# Altium PCB DM1098OAKW.PcbDoc (part 3 of 5)
Units mm, origin at the board's own origin, x right, y up, seen from the top; angles counter-clockwise.
Board outline 98.3 x 35 mm, 6 copper layers (Top Copper, Signal Layer 1, Signal Layer 2, Signal Layer 3, Signal Layer 4, Bottom Copper), stack 1.597 mm thick; 204 components, 159 nets, 836 pads, 621 vias.
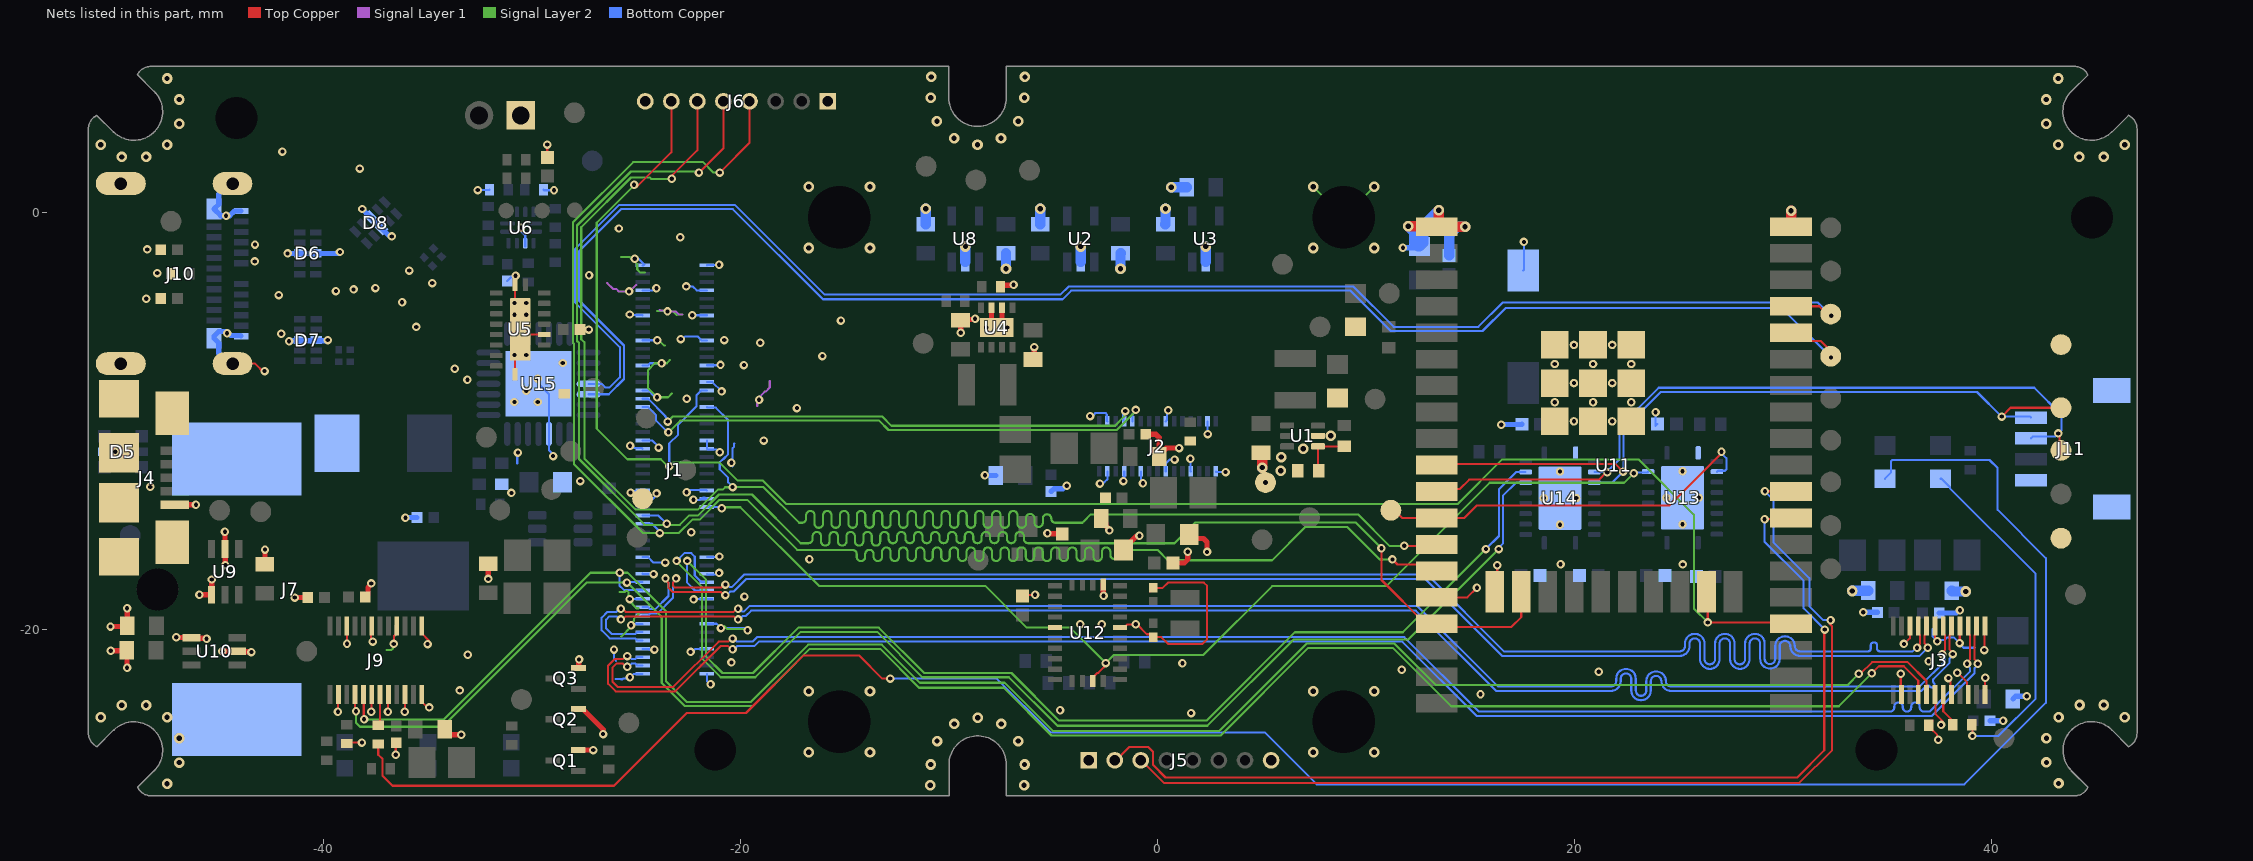
[diagram p7: the nets of this part, all layers, seen from the top]

## Via types
v1: diameter 0.406, hole 0.203, Top Copper to Bottom Copper, tented both sides, 471 vias
v2: diameter 0.508, hole 0.254, Top Copper to Bottom Copper, tented both sides, 132 vias
v3: diameter 0.508, hole 0.254, Top Copper to Bottom Copper, 16 vias
v4: diameter 0.406, hole 0.203, Top Copper to Bottom Copper, tented bottom, 2 vias

## Nets (pads, with @x,y where several pads share a name; then routed paths per layer and width w, separated by ;. In a path a pad name is that pad's centre, name@x,y a point inside that pad or via, vN(x,y) a via of type N, cw(c..) or ccw(c..) an arc to the next point about the centre after c; other vN are vias at no path point) (continued)
ESP_GPIO12: J1.63 J6.4 U11.14 | length 86
  Top Copper w0.102: v1@-20.91,1.99 -19.574,3.326 J6.4@-19.574,5.317 ; v1(11.275,-16.661) 11.515,-16.902 13.092,-16.902 U11.14@13.4,-17.21
  Signal Layer 2 w0.102: v1(-21,1.9) -21.3,1.9 -21.8,2.4 -25.159,2.4 -28.05,-0.491 -28.05,-6.26 -28.001,-6.309 -28.001,-12.078 -24.686,-15.393 v1(-23.878,-15.393) -22.961,-15.393 -22.315,-14.748 -21.955,-14.748 -21.011,-13.804 -19.68,-13.804 -17.284,-16.2 -15.089,-16.2 -14.633,-16.2 cw(c-14.633,-16.403) -14.43,-16.403 -14.43,-16.537 ccw(c-14.227,-16.537) -14.227,-16.74 ccw(c-14.227,-16.537) -14.024,-16.537 -14.024,-16.402 cw(c-13.821,-16.402) -13.821,-16.199 cw(c-13.821,-16.402) -13.619,-16.402 -13.619,-16.537 ccw(c-13.416,-16.537) -13.416,-16.74 ccw(c-13.416,-16.537) -13.213,-16.537 -13.213,-16.286 cw(c-13.01,-16.286) -13.01,-16.083 cw(c-13.01,-16.286) -12.807,-16.286 -12.807,-16.537 ccw(c-12.605,-16.537) -12.605,-16.74 ccw(c-12.605,-16.537) -12.402,-16.537 -12.402,-16.285 cw(c-12.199,-16.285) -12.199,-16.082 cw(c-12.199,-16.285) -11.996,-16.285 -11.996,-16.537 ccw(c-11.793,-16.537) -11.793,-16.74 ccw(c-11.793,-16.537) -11.591,-16.537 -11.591,-16.285 cw(c-11.388,-16.285) -11.388,-16.082 cw(c-11.388,-16.285) -11.185,-16.285 -11.185,-16.537 ccw(c-10.982,-16.537) -10.982,-16.74 ccw(c-10.982,-16.537) -10.779,-16.537 -10.779,-16.285 cw(c-10.577,-16.285) -10.577,-16.082 cw(c-10.577,-16.285) -10.374,-16.285 -10.374,-16.537 ccw(c-10.171,-16.537) -10.171,-16.74 ccw(c-10.171,-16.537) -9.968,-16.537 -9.968,-16.285 cw(c-9.765,-16.285) -9.765,-16.082 cw(c-9.765,-16.285) -9.563,-16.285 -9.563,-16.537 ccw(c-9.36,-16.537) -9.36,-16.74 ccw(c-9.36,-16.537) -9.157,-16.537 -9.157,-16.285 cw(c-8.954,-16.285) -8.954,-16.082 cw(c-8.954,-16.285) -8.751,-16.285 -8.751,-16.537 ccw(c-8.549,-16.537) -8.549,-16.74 ccw(c-8.549,-16.537) -8.346,-16.537 -8.346,-16.285 cw(c-8.143,-16.285) -8.143,-16.082 cw(c-8.143,-16.285) -7.94,-16.285 -7.94,-16.537 ccw(c-7.737,-16.537) -7.737,-16.74 ccw(c-7.737,-16.537) -7.535,-16.537 -7.535,-16.284 cw(c-7.332,-16.284) -7.332,-16.081 cw(c-7.332,-16.284) -7.129,-16.284 -7.129,-16.537 ccw(c-6.926,-16.537) -6.926,-16.74 ccw(c-6.926,-16.537) -6.723,-16.537 -6.723,-16.282 cw(c-6.521,-16.282) -6.521,-16.079 cw(c-6.521,-16.282) -6.318,-16.282 -6.318,-16.537 ccw(c-6.115,-16.537) -6.115,-16.74 ccw(c-6.115,-16.537) -5.912,-16.537 -5.912,-16.287 cw(c-5.709,-16.287) -5.709,-16.084 cw(c-5.709,-16.287) -5.507,-16.287 -5.507,-16.537 ccw(c-5.304,-16.537) -5.304,-16.74 ccw(c-5.304,-16.537) -5.101,-16.537 -5.101,-16.287 cw(c-4.898,-16.287) -4.898,-16.084 cw(c-4.898,-16.287) -4.695,-16.287 -4.695,-16.537 ccw(c-4.493,-16.537) -4.493,-16.74 ccw(c-4.493,-16.537) -4.29,-16.537 -4.29,-16.287 cw(c-4.087,-16.287) -4.087,-16.084 cw(c-4.087,-16.287) -3.884,-16.287 -3.884,-16.537 ccw(c-3.681,-16.537) -3.681,-16.74 ccw(c-3.681,-16.537) -3.479,-16.537 -3.479,-16.287 cw(c-3.276,-16.287) -3.276,-16.084 cw(c-3.276,-16.287) -3.073,-16.287 -3.073,-16.537 ccw(c-2.87,-16.537) -2.87,-16.74 ccw(c-2.87,-16.537) -2.667,-16.537 -2.667,-16.287 cw(c-2.465,-16.287) -2.465,-16.084 cw(c-2.465,-16.287) -2.262,-16.287 -2.262,-16.44 ccw(c-2.059,-16.44) -2.059,-16.643 ccw(c-2.059,-16.44) -1.856,-16.44 -1.856,-16.403 cw(c-1.653,-16.403) -1.653,-16.2 0,-16.2 0.5,-16.7 1.465,-16.7 5.5,-16.7 7.1,-15.1 9.097,-15.1 10.659,-16.661 v1(11.275,-16.661)
  Bottom Copper w0.102: J1.63@-24.7,-14.95 -24.25,-14.95 -23.878,-15.323 v1(-23.878,-15.393)
ESP_GPIO13: J1.61 J6.5 U11.16 | length 86.7
  Top Copper w0.102: v1(-22,1.9) -20.824,3.076 J6.5@-20.824,5.317 ; v1(10.746,-16.126) 10.746,-17.646 12.85,-19.75 U11.16@13.4,-19.75 13.554,-19.904 16.98,-19.904 17.455,-19.429 U11.16@17.455,-18.21
  Signal Layer 2 w0.102: v1(-22,1.9) -22.054,1.954 -25.256,1.954 -27.848,-0.638 -27.848,-6.176 -27.753,-6.271 -27.753,-11.844 -24.598,-14.999 -23.55,-14.999 -22.914,-14.999 -22.461,-14.546 -22.038,-14.546 -21.036,-13.544 -19.456,-13.544 -17.117,-15.883 -16.8,-15.883 -16.749,-15.883 ccw(c-16.749,-15.68) -16.546,-15.68 -16.546,-15.545 cw(c-16.344,-15.545) -16.344,-15.343 cw(c-16.344,-15.545) -16.141,-15.545 -16.141,-15.796 ccw(c-15.938,-15.796) -15.938,-15.998 ccw(c-15.938,-15.796) -15.735,-15.796 -15.735,-15.545 cw(c-15.532,-15.545) -15.532,-15.343 cw(c-15.532,-15.545) -15.33,-15.545 -15.33,-15.796 ccw(c-15.127,-15.796) -15.127,-15.998 ccw(c-15.127,-15.796) -14.924,-15.796 -14.924,-15.545 cw(c-14.721,-15.545) -14.721,-15.343 cw(c-14.721,-15.545) -14.518,-15.545 -14.518,-15.796 ccw(c-14.316,-15.796) -14.316,-15.998 ccw(c-14.316,-15.796) -14.113,-15.796 -14.113,-15.545 cw(c-13.91,-15.545) -13.91,-15.343 cw(c-13.91,-15.545) -13.707,-15.545 -13.707,-15.797 ccw(c-13.504,-15.797) -13.504,-16 ccw(c-13.504,-15.797) -13.302,-15.797 -13.302,-15.545 cw(c-13.099,-15.545) -13.099,-15.343 cw(c-13.099,-15.545) -12.896,-15.545 -12.896,-15.681 ccw(c-12.693,-15.681) -12.693,-15.884 ccw(c-12.693,-15.681) -12.49,-15.681 -12.49,-15.545 cw(c-12.288,-15.545) -12.288,-15.343 cw(c-12.288,-15.545) -12.085,-15.545 -12.085,-15.68 ccw(c-11.882,-15.68) -11.882,-15.883 ccw(c-11.882,-15.68) -11.679,-15.68 -11.679,-15.545 cw(c-11.476,-15.545) -11.476,-15.343 cw(c-11.476,-15.545) -11.274,-15.545 -11.274,-15.68 ccw(c-11.071,-15.68) -11.071,-15.883 ccw(c-11.071,-15.68) -10.868,-15.68 -10.868,-15.545 cw(c-10.665,-15.545) -10.665,-15.343 cw(c-10.665,-15.545) -10.462,-15.545 -10.462,-15.68 ccw(c-10.26,-15.68) -10.26,-15.883 ccw(c-10.26,-15.68) -10.057,-15.68 -10.057,-15.545 cw(c-9.854,-15.545) -9.854,-15.343 cw(c-9.854,-15.545) -9.651,-15.545 -9.651,-15.68 ccw(c-9.448,-15.68) -9.448,-15.883 ccw(c-9.448,-15.68) -9.246,-15.68 -9.246,-15.545 cw(c-9.043,-15.545) -9.043,-15.343 cw(c-9.043,-15.545) -8.84,-15.545 -8.84,-15.68 ccw(c-8.637,-15.68) -8.637,-15.883 ccw(c-8.637,-15.68) -8.434,-15.68 -8.434,-15.545 cw(c-8.232,-15.545) -8.232,-15.343 cw(c-8.232,-15.545) -8.029,-15.545 -8.029,-15.68 ccw(c-7.826,-15.68) -7.826,-15.883 ccw(c-7.826,-15.68) -7.623,-15.68 -7.623,-15.545 cw(c-7.42,-15.545) -7.42,-15.343 cw(c-7.42,-15.545) -7.218,-15.545 -7.218,-15.68 ccw(c-7.015,-15.68) -7.015,-15.883 ccw(c-7.015,-15.68) -6.812,-15.68 -6.812,-15.545 cw(c-6.609,-15.545) -6.609,-15.343 cw(c-6.609,-15.545) -6.406,-15.545 -6.406,-15.68 ccw(c-6.204,-15.68) -6.204,-15.883 -2.5,-15.883 0.817,-15.883 1.81,-14.89 9.51,-14.89 v1(10.746,-16.126)
  Bottom Copper w0.102: J1.61@-24.7,-14.55 -23.95,-14.55 v1(-23.55,-14.95)
ESP_GPIO14: J1.36 J6.6 U11.13 | length 87.4
  Top Copper w0.102: v1(-23.3,1.6) -23.3,1.748 -22.074,2.974 J6.6@-22.074,5.317 ; v1(11.84,-16.008) 13.332,-16.008 U11.13@13.4,-15.94
  Signal Layer 2 w0.102: v1(-23.3,1.6) -24.288,1.6 -24.354,1.666 -25.259,1.666 -27.647,-0.721 -27.647,-6.093 -27.498,-6.241 -27.498,-11.814 -25.052,-14.26 -22.037,-14.26 -21.075,-13.298 -20.839,-13.298 -20.74,-13.198 -20.392,-13.198 v1(-20.384,-13.19) ; v1@-20.379,-13.19 -18.901,-13.19 -17.191,-14.9 -17.111,-14.9 -17.06,-14.9 ccw(c-17.06,-14.697) -16.857,-14.697 -16.857,-14.535 cw(c-16.654,-14.535) -16.654,-14.332 cw(c-16.654,-14.535) -16.452,-14.535 -16.452,-14.938 ccw(c-16.249,-14.938) -16.249,-15.141 ccw(c-16.249,-14.938) -16.046,-14.938 -16.046,-14.535 cw(c-15.843,-14.535) -15.843,-14.332 cw(c-15.843,-14.535) -15.64,-14.535 -15.64,-14.938 ccw(c-15.438,-14.938) -15.438,-15.141 ccw(c-15.438,-14.938) -15.235,-14.938 -15.235,-14.535 cw(c-15.032,-14.535) -15.032,-14.332 cw(c-15.032,-14.535) -14.829,-14.535 -14.829,-14.938 ccw(c-14.626,-14.938) -14.626,-15.141 ccw(c-14.626,-14.938) -14.424,-14.938 -14.424,-14.535 cw(c-14.221,-14.535) -14.221,-14.332 cw(c-14.221,-14.535) -14.018,-14.535 -14.018,-14.938 ccw(c-13.815,-14.938) -13.815,-15.141 ccw(c-13.815,-14.938) -13.612,-14.938 -13.612,-14.535 cw(c-13.41,-14.535) -13.41,-14.332 cw(c-13.41,-14.535) -13.207,-14.535 -13.207,-14.938 ccw(c-13.004,-14.938) -13.004,-15.141 ccw(c-13.004,-14.938) -12.801,-14.938 -12.801,-14.535 cw(c-12.598,-14.535) -12.598,-14.332 cw(c-12.598,-14.535) -12.396,-14.535 -12.396,-14.938 ccw(c-12.193,-14.938) -12.193,-15.141 ccw(c-12.193,-14.938) -11.99,-14.938 -11.99,-14.535 cw(c-11.787,-14.535) -11.787,-14.332 cw(c-11.787,-14.535) -11.584,-14.535 -11.584,-14.938 ccw(c-11.382,-14.938) -11.382,-15.141 ccw(c-11.382,-14.938) -11.179,-14.938 -11.179,-14.535 cw(c-10.976,-14.535) -10.976,-14.332 cw(c-10.976,-14.535) -10.773,-14.535 -10.773,-14.938 ccw(c-10.57,-14.938) -10.57,-15.141 ccw(c-10.57,-14.938) -10.368,-14.938 -10.368,-14.535 cw(c-10.165,-14.535) -10.165,-14.332 cw(c-10.165,-14.535) -9.962,-14.535 -9.962,-14.938 ccw(c-9.759,-14.938) -9.759,-15.141 ccw(c-9.759,-14.938) -9.556,-14.938 -9.556,-14.535 cw(c-9.354,-14.535) -9.354,-14.332 cw(c-9.354,-14.535) -9.151,-14.535 -9.151,-14.938 ccw(c-8.948,-14.938) -8.948,-15.141 ccw(c-8.948,-14.938) -8.745,-14.938 -8.745,-14.535 cw(c-8.542,-14.535) -8.542,-14.332 cw(c-8.542,-14.535) -8.34,-14.535 -8.34,-14.938 ccw(c-8.137,-14.938) -8.137,-15.141 ccw(c-8.137,-14.938) -7.934,-14.938 -7.934,-14.535 cw(c-7.731,-14.535) -7.731,-14.332 cw(c-7.731,-14.535) -7.528,-14.535 -7.528,-14.938 ccw(c-7.326,-14.938) -7.326,-15.141 ccw(c-7.326,-14.938) -7.123,-14.938 -7.123,-14.535 cw(c-6.92,-14.535) -6.92,-14.332 cw(c-6.92,-14.535) -6.717,-14.535 -6.717,-14.938 ccw(c-6.514,-14.938) -6.514,-15.141 ; -6.514,-15.141 ccw(c-6.514,-14.938) -6.312,-14.938 -6.312,-14.678 cw(c-6.109,-14.678) -6.109,-14.475 cw(c-6.109,-14.678) -5.906,-14.678 -5.906,-14.9 ccw(c-5.703,-14.9) -5.703,-15.103 ccw(c-5.703,-14.9) -5.5,-14.9 -5.5,-14.697 cw(c-5.298,-14.697) -5.298,-14.494 cw(c-5.298,-14.697) -5.095,-14.697 ccw(c-4.892,-14.697) -4.892,-14.9 -3.603,-14.9 -3.524,-14.82 -3.203,-14.5 9.62,-14.5 11.128,-16.008 v1(11.84,-16.008)
  Bottom Copper w0.102: J1.36@-21.62,-9.35 -21.594,-9.376 -21.194,-9.376 -20.6,-9.97 -20.6,-11.62 -20.82,-11.84 -20.84,-11.84 -21,-12 -21,-12.334 -20.6,-12.734 -20.6,-12.958 -20.384,-13.174 v1(-20.384,-13.19)
ESP_GPIO15: J1.32 J6.7 U11.23 | length 89.2
  Top Copper w0.102: v1(-25.112,1.312) -25.03,1.312 -24.96,1.242 -24.958,1.242 -23.324,2.876 J6.7@-23.324,5.317 ; U11.23@26.345,-18.21 26.401,-18.266 v1(26.401,-19.68) 30.33,-19.68 U11.23@30.4,-19.75
  Signal Layer 2 w0.102: v1(-25.112,1.312) -25.112,1.29 -26.905,-0.502 -26.905,-10.383 -25.432,-11.856 -23.831,-11.856 -23.495,-12.191 v1(-23.424,-12.191) -23.236,-12.004 -21.019,-12.004 -20.146,-12.877 -18.928,-12.877 -17.801,-14.004 14.396,-14.004 16.54,-11.861 23.08,-11.861 25.737,-14.518 25.737,-19.016 v1(26.401,-19.68)
  Bottom Copper w0.102: v1(-23.424,-12.191) -23.424,-11.093 -23,-10.67 -23,-10.2 -22.121,-9.321 -22.121,-8.798 -22.115,-8.792 -22.115,-8.785 -21.88,-8.55 J1.32@-21.62,-8.55
ESP_GPIO16: J5.2 U11.27 | length 49.4
  Top Copper w0.102: J5.2@-2.05,-26.3 -1.991,-26.3 -1.343,-25.653 -0.455,-25.653 -0.216,-25.892 -0.216,-26.518 0.388,-27.122 30.69,-27.122 31.993,-25.82 v1@31.993,-20.024 ; v1(29.128,-14.728) 30.342,-14.728 U11.27@30.4,-14.67
  Bottom Copper w0.102: v1(29.128,-14.728) 29.128,-15.816 31.002,-17.69 31.002,-19.009 v1(32.017,-20.024)
ESP_GPIO17: J5.3 U11.28 | length 49.3
  Top Copper w0.102: J5.3@-0.8,-26.3 -0.773,-26.3 0.308,-27.381 30.798,-27.381 32.371,-25.807 32.371,-19.878 v1@32.252,-19.758 ; v1(29.145,-13.39) 30.39,-13.39 U11.28@30.4,-13.4
  Bottom Copper w0.102: v1(29.145,-13.39) 29.554,-13.799 29.554,-15.83 31.279,-17.555 31.279,-18.913 31.939,-19.573 32.29,-19.573 v1(32.295,-19.578)
ESP_GPIO27: TP47.1 U11.12 U13.13 | length 18.8
  Top Copper w0.102: TP47.1@11.2,-14.3 11.383,-14.3 11.753,-14.67 U11.12@13.4,-14.67 14.723,-14.67 15.324,-14.07 24.55,-14.07 27.063,-11.557 v1(27.063,-11.489)
  Bottom Copper w0.102: U13.13@26.843,-12.451 26.887,-12.407 27.235,-12.407 27.294,-12.348 27.294,-12.098 27.294,-11.804 27.063,-11.572 v1(27.063,-11.489)
ESP_RXD0: TP38.1 U11.34 U15.26 | length 76.8
  Top Copper w0.102: U11.34@30.399,-5.779 U11.34@30.4,-5.78 30.799,-6.179 31.832,-6.179 32.316,-6.663 v1(32.316,-6.966) 32.303,-6.953 TP38.1@32.303,-6.908
  Bottom Copper w0.102: U15.26@-27.297,-8.736 -26.329,-8.736 -25.592,-8 -25.592,-6.395 -27.754,-4.234 -27.754,-1.865 -25.74,0.148 -20.375,0.148 -16.049,-4.178 -4.548,-4.178 -4.135,-3.765 9.265,-3.765 11.202,-5.702 15.598,-5.702 16.7,-4.6 29.95,-4.6 v1(32.316,-6.966)
ESP_TXD0: TP35.1 U11.35 U15.25 | length 75.6
  Top Copper w0.102: U11.35@30.331,-4.579 U11.35@30.4,-4.51 31.759,-4.51 32.137,-4.888 TP35.1@32.303,-4.888
  Bottom Copper w0.102: U15.25@-27.297,-8.236 -26.671,-8.236 -26.5,-8.407 -26.285,-8.407 -25.794,-7.916 -25.794,-6.478 -27.955,-4.317 -27.955,-1.781 -25.824,0.35 -20.276,0.35 -15.981,-3.944 -4.644,-3.944 -4.263,-3.563 9.394,-3.563 11.33,-5.5 15.4,-5.5 16.568,-4.332 31.686,-4.332 v1(32.323,-4.969)
FB_3.3VIN: R5.1 R6.2 U1.1 | length 2.4
  Top Copper w0.102: R6.2@7.731,-12.413 7.704,-12.386 U1.1@7.704,-11.235 R5.1@8.962,-11.235
FSIN1: R3.2 R24.2 | length 16.8
  Top Copper w0.102: R3.2@39.064,-24.582 39.102,-24.621 v1(39.102,-25.127)
  Bottom Copper w0.102: R24.2@37.57,-12.789 37.62,-12.789 38.019,-13.188 38.019,-13.238 42.133,-17.352 42.133,-23.344 40.35,-25.127 v1(39.102,-25.127)
FSIN1_IN: J3.18 R3.1 | length 1.8
  Top Copper w0.102: J3.18@37.7,-23.14 37.7,-23.942 38.179,-24.421 R3.1@38.179,-24.725
FSIN2: R10.2 R26.2 | length 107.4
  Top Copper w0.102: -37.391,-26.049 -37.391,-25.528 R10.2@-37.379,-25.516 -37.379,-26.03 -37.184,-26.225 -37.184,-27.042 -36.706,-27.52 -26.072,-27.52 -22.581,-24.029 -19.742,-24.029 -16.991,-21.277 -14.296,-21.277 -13.196,-22.377 v1(-12.82,-22.377)
  Bottom Copper w0.102: v1(-12.82,-22.377) -7.708,-22.377 -5.126,-24.959 5.146,-24.959 7.639,-27.452 38.714,-27.452 42.628,-23.539 42.628,-16.596 40.309,-14.277 40.309,-12.276 39.924,-11.891 35.264,-11.891 35.204,-11.95 35.204,-12.484 R26.2@34.9,-12.789
FSIN2_IN: J9.18 R10.1 | length 1.3
  Top Copper w0.102: R10.1@-37.309,-24.434 -37.304,-24.43 -37.304,-23.144 J9.18@-37.3,-23.14
GND: B1.1 C1.1 C2.1 C3.1 C4.1 C5.1 C6.1 C7.1 C8.1 C9.1 C10.1 C11.1 C12.1 C13.1 C14.1 C15.1 C16.2 C17.1 C18.1 C19.1 C20.1 C21.1 C22.1 C23.1 C24.1 C25.1 C26.1 C27.1 C28.1 C29.1 C30.1 C35.1 C36.1 C38.1 C39.1 C40.1 C41.1 C42.1 C43.1 C44.1 C45.1 C46.2 C47.1 C48.1 C49.1 C50.1 C51.1 C52.1 C53.1 C54.1 C55.1 C56.1 C57.1 C58.1 D1.2 D5.2 D6.3 D6.8 D7.3 D7.8 D8.3 D8.8 J1.1 J1.2 J1.7 J1.8 J1.13 J1.14 J1.19 J1.20 J1.25 J1.26 J1.30 J1.31 J1.43 J1.44 J1.45 J1.46 J1.55 J1.56 J1.57 J1.58 J1.71 J1.72 J1.75 J1.76 J1.81 J1.82 J1.87 J1.88 J1.93 J1.94 J1.99 J1.100 J2.1 J2.4 J2.7 J2.10 J2.12 J2.14 J2.17 J2.24 J2.29 J3.3 J3.6 J3.9 J3.12 J3.13 J3.15 J3.17 J3.19 J3.23 J4.5 J4.6 J4.7 J4.8 J4.9 J4.10 J4.11 J5.1 J5.8 J6.1 J6.8 J7.2 J7.3 J8.P1 J9.3 J9.6 J9.9 J9.12 J9.13 J9.15 J9.17 J9.19 J9.23 J10.A1 J10.A12 J10.B1 J10.B12 J10.SH1 J10.SH2 J10.SH3 J10.SH4 J11.4 J11.S1 J11.S2 MH1.1 MH2.1 MH3.1 MH4.1 Q1.2 Q2.2 Q3.2 R1.2 R2.2 R6.1 R8.1 R9.2 R11.1 R12.2 R14.2 R16.2 R44.1 TP14.1 TP15.1 TP16.1 TP17.1 U1.2 U2.2 U3.2 U4.2 U4.3 U4.9 U5.5 U5.11 U5.20 U5.21 U6.10 U8.2 U9.2 U9.4 U10.2 U10.4 U11.1 U11.15 U11.38 U11.39 U12.2 U12.10 U12.25 U13.11 U13.21 U14.11 U14.21 U15.3 U15.29 | length 178.5
  Top Copper w0.102: J10.SH1@-44.378,-7.265 -43.295,-7.265 v1@-42.868,-7.692 ; v1(-39.321,-23.965) -39.31,-23.954 J9.23@-39.31,-23.15 ; J9.3@-38.9,-19.86 -38.893,-19.867 -38.893,-20.693 v1(-38.885,-20.7) ; R9.2@-38.891,-25.491 -38.848,-25.447 v1(-38.172,-25.447) ; v1(-37.721,-23.965) -37.71,-23.954 -37.71,-23.15 J9.19@-37.7,-23.14 ; J9.6@-37.71,-19.87 -37.734,-19.894 -37.734,-20.482 -37.65,-20.567 v1(-37.65,-20.6) ; v1(-36.921,-23.965) -36.91,-23.954 J9.17@-36.91,-23.15 ; v1(-36.638,-20.717) -36.638,-20.386 -36.634,-20.382 -36.634,-20.329 -36.575,-20.269 -36.564,-20.269 -36.5,-20.205 J9.9@-36.5,-19.86 ; v1(-36.55,-26.032) -36.55,-25.484 C27.1@-36.52,-25.454 ; v1(-36.121,-23.965) -36.11,-23.954 J9.15@-36.11,-23.15 ; J9.13@-35.3,-23.14 -35.3,-23.485 -35.084,-23.701 -34.994,-23.701 v1(-34.936,-23.759) ; J9.12@-35.3,-19.86 -35.3,-20.205 -34.95,-20.555 -34.95,-20.648 v1(-35.023,-20.721) ; U5.20@-30.821,-7.772 -30.821,-5.872 U5.21@-30.571,-5.622 ; U5.11@-30.821,-3.472 -30.821,-5.372 U5.21@-30.571,-5.622 ; U5.5@-29.421,-5.872 -30.321,-5.872 U5.21@-30.571,-5.622 ; v1(-29.278,3.246) -29.278,2.644 C41.1@-29.265,2.631 ; C35.1@-27.707,-5.628 C35.1@-27.707,-5.628 v1(-27.293,-5.629) ; U4.9@-7.709,-5.532 U4.9@-7.459,-5.282 ; C46.2@-6.48,-18.422 -6.418,-18.36 v1(-5.87,-18.36) ; U12.25@-1.788,-19.924 -1.576,-19.924 -1.502,-19.85 -1.502,-19.833 -1.442,-19.774 -0.979,-19.774 -0.506,-20.247 -0.343,-20.247 C47.1@-0.203,-20.387 0.184,-20.387 0.507,-20.71 2.159,-20.71 2.383,-20.486 2.383,-17.93 2.224,-17.771 0.505,-17.771 0.249,-18.027 C48.1@-0.203,-18.027 -0.203,-18.047 C48.1@-0.362,-18.206 ; U11.15@13.4,-18.48 14.872,-18.48 v1(15.33,-18.022) ; U11.15@16.185,-18.21 16.305,-18.09 v1(16.305,-16.94) ; v1(35.666,-22.14) 35.666,-22.993 35.695,-23.022 35.638,-23.078 J3.23@35.7,-23.14 ; v1(35.813,-20.714) 35.829,-20.714 36.1,-20.444 J3.3@36.1,-19.86 ; R2.2@37.114,-24.784 37.408,-25.078 ; R2.2@37.177,-24.401 37.139,-24.439 37.139,-24.759 R2.2@37.003,-24.623 37.003,-24.673 37.408,-25.078 ; J3.19@37.3,-23.14 37.339,-23.179 37.339,-24.082 37.684,-24.428 37.6,-24.512 v1(37.6,-24.6) ; J3.6@37.3,-19.86 37.3,-20.468 v1(37.414,-20.583) ; v1(37.466,-25.31) 37.408,-25.252 37.408,-25.078 ; v1(37.95,-22.35) 37.95,-22.432 38.045,-22.528 38.045,-23.085 J3.17@38.1,-23.14 ; v1(38.376,-22.094) 38.396,-22.094 38.836,-22.534 38.836,-23.076 J3.15@38.9,-23.14 ; v1(38.486,-20.673) 38.493,-20.666 38.493,-19.867 J3.9@38.5,-19.86 ; v1(39.674,-21.009) 39.687,-20.996 39.687,-19.873 J3.12@39.7,-19.86 ; J3.13@39.7,-23.14 39.707,-23.133 39.707,-22.339 v1(39.713,-22.333)
  Top Copper w0.254: v1@-50.23,-19.88 C14.1@-49.416,-19.88 ; v1@-50.22,-21.036 C13.1@-49.406,-21.036 ; v1@-49.442,-21.849 C13.1@-49.442,-21.035 ; C14.1@-49.436,-19.82 v1@-49.436,-19.005 ; v1(-47.084,-20.398) -47.072,-20.41 -46.357,-20.41 -46.322,-20.445 -45.649,-20.445 v1(-45.626,-20.468) ; J4.5@-46.956,-14.04 v1@-46.141,-14.04 ; v1(-45.965,-18.353) -45.393,-18.353 U9.4@-45.382,-18.364 ; U9.4@-45.407,-18.267 -45.371,-18.23 v1(-45.371,-17.623) ; v1(-44.863,-21.067) -44.86,-21.07 -44.147,-21.07 -44.13,-21.087 -43.486,-21.087 v1(-43.471,-21.102) ; v1(-44.744,-15.337) -44.74,-15.341 -44.74,-16.155 U9.2@-44.737,-16.159 -44.729,-16.167 -44.729,-16.922 v1(-44.721,-16.93) ; C26.1@-42.836,-16.89 -42.849,-16.877 -42.82,-16.848 v1(-42.82,-16.186) ; v1(-41.397,-18.489) -41.393,-18.485 -40.772,-18.485 C25.1@-40.768,-18.481 ; C23.1@-38.014,-18.465 -37.881,-18.332 -37.881,-18.005 -37.728,-17.853 v1(-37.728,-17.811) ; C28.1@-34.204,-24.808 -34.204,-24.847 -33.981,-25.07 v1(-33.399,-25.07) ; v1(-32.114,-17.597) -32.114,-16.87 C24.1@-32.104,-16.86 ; Q1.2@-27.79,-25.807 v1@-27.073,-25.807 ; Q2.2@-27.777,-23.833 -27.572,-23.833 -26.59,-24.816 -26.6,-24.826 v1(-26.6,-25.04) ; Q3.2@-27.777,-21.871 -27.763,-21.857 -27.763,-21.471 v1(-27.749,-21.457) ; v1(-9.441,-5.784) -9.441,-5.195 C22.1@-9.454,-5.183 -9.417,-5.146 -8.781,-5.146 v1(-8.752,-5.117) ; U4.3@-7.959,-4.582 -7.959,-5.282 U4.9@-7.709,-5.532 ; R8.1@-7.53,-3.575 -7.463,-3.508 -6.934,-3.508 v1(-6.905,-3.479) ; U4.9@-7.459,-5.282 U4.2@-7.459,-4.582 ; C21.1@-5.975,-7.067 -5.911,-7.003 v1(-5.911,-6.473) ; v1(-5.279,-15.407) -5.261,-15.425 -4.587,-15.425 C44.1@-4.569,-15.443 ; C4.1@-2.7,-14.7 -2.477,-14.923 -2.477,-15.054 -2.305,-15.226 v1(-2.305,-15.267) ; U12.2@-2.601,-17.862 -2.599,-17.864 -2.599,-18.384 v1(-2.586,-18.397) ; C42.1@-1.632,-16.202 -1.632,-16.152 -1.038,-15.558 -0.894,-15.558 v1(-0.865,-15.529) ; C5.1@-0.559,-10.654 -0.554,-10.659 -0.07,-10.659 0.079,-10.808 0.079,-11.703 C6.1@0.096,-11.719 0.096,-11.645 0.424,-11.317 v1(1.038,-11.317) ; C45.1@0.746,-16.829 1.284,-16.829 1.452,-16.661 v1(1.452,-16.286) ; C43.1@1.52,-15.457 1.72,-15.657 2.202,-15.657 2.378,-15.833 v1(2.378,-16.298)
  Top Copper w0.5: C15.1@4.963,-11.538 5.025,-11.6 5.025,-12.251 v2(5.027,-12.253) ; v2(12.033,-0.677) 12.803,-0.677 U11.1@12.873,-0.746 ; U11.1@13.399,-0.699 13.5,-0.599 v2(13.5,0.1) ; U11.1@13.919,-0.622 13.989,-0.691 v2(14.759,-0.691) ; U11.38@30.331,-0.769 U11.38@30.4,-0.7 v2(30.4,0.071)
  Signal Layer 1 w0.102: -26.4,-3.4 -26.122,-3.678 -25.974,-3.678 -25.845,-3.807 -25.361,-3.807 v1(-25.352,-3.798) -25.316,-3.798 -25.003,-3.485 ; -23.885,-4.691 -23.865,-4.712 -23.558,-4.712 v1(-23.509,-4.761) -23.115,-4.761 -22.975,-4.9 -22.8,-4.9 ; -19.2,-9.3 -19.2,-8.963 -18.843,-8.606 -18.793,-8.606 -18.6,-8.412 -18.6,-8.1
  Signal Layer 2 w0.102: -37,-21 -36.746,-21 -36.678,-20.932 -36.678,-20.756 v1(-36.638,-20.717) -36.638,-20.372 -36.548,-20.283 -36.548,-19.848 -36.5,-19.8 ; -25.801,-18.215 -25.547,-18.215 -25.515,-18.183 -25.431,-18.183 -25.372,-18.242 -25.372,-18.512 v1(-25.323,-18.56) -25.323,-18.643 -25.191,-18.775 -25.191,-18.802 -24.993,-19 -24.9,-19 ; -25.736,-2.155 -25.307,-2.155 -24.958,-2.504 -24.958,-2.751 -24.808,-2.9 -24.6,-2.9 ; -25.727,-20.363 -25.257,-19.893 -25.257,-19.746 -25.12,-19.61 -25.12,-19.511 -24.9,-19.291 -24.9,-19.2 ; -24.02,-4.74 -23.53,-4.74 v1(-23.509,-4.761) ; v1(-24.003,-6.141) -23.927,-6.141 -23.669,-6.399 -23.626,-6.399 ; v1@-23.509,-4.624 -23.368,-4.765 -23.224,-4.765 -23.058,-4.931 ; -23.4,-7.1 -23.546,-7.246 v1(-23.791,-7.246) -24.118,-7.246 -24.446,-7.575 -24.446,-8.443 v1(-24.008,-8.881) -23.481,-8.881 -23.3,-8.7 ; v1@-20.778,-19.856 -20.64,-19.994 -19.732,-19.994 v1@-19.594,-20.132 ; v3(7.473,1.217) MH3.1@8.94,-0.25 v3(10.407,1.217)
  Bottom Copper w0.102: D5.2@-50.538,-11.493 -50.534,-11.497 v1(-50.002,-11.497) ; v1@-39.813,-6.132 v1(-39.811,-6.134) ; v1(-32.608,1.062) -32.063,1.062 R14.2@-32.047,1.078 ; C36.1@-31.2,-3.3 -30.889,-2.989 -30.861,-2.989 v1(-30.8,-3.05) ; -30.719,-12.049 -30.719,-11.565 v1(-30.686,-11.532) ; v1@-30.534,-0.81 v1(-30.534,-0.736) ; v1@-30.499,-0.81 -30.534,-0.775 v1(-30.534,-0.736) ; U6.10@-30.334,-1.636 U6.10@-30.334,-1.486 -30.334,-1.12 -30.534,-0.92 v1(-30.534,-0.736) ; U15.29@-29.697,-8.236 -29.197,-8.736 U15.3@-29.197,-10.636 -29.197,-11.42 -29,-11.618 v1(-29,-11.7) ; R16.2@-29.46,1.078 -29.437,1.055 v1(-28.954,1.055) ; v1@-26.034,-20.943 v1(-26.075,-20.984) -26.075,-21.438 -25.988,-21.525 ; -26.011,-22.402 -25.749,-22.402 -25.744,-22.406 -25.66,-22.406 -25.622,-22.368 -25.369,-22.368 v1(-25.31,-22.31) -25.31,-22.328 -25.133,-22.15 J1.99@-24.7,-22.15 ; v1(-25.323,-18.56) -25.318,-18.555 -24.705,-18.555 J1.81@-24.7,-18.55 ; v1(-25.322,-4.908) -25.306,-4.924 -24.726,-4.924 J1.13@-24.7,-4.95 ; v1(-25.302,-11.2) -25.22,-11.2 -25.109,-11.311 -24.739,-11.311 J1.45@-24.7,-11.35 ; v1(-25.278,-13.455) -25.278,-13.449 -25.218,-13.389 -24.739,-13.389 J1.55@-24.7,-13.35 ; v1(-25.257,-19.821) -25.193,-19.758 -24.708,-19.758 J1.87@-24.7,-19.75 ; v1(-25.082,-2.231) -24.899,-2.231 -24.619,-2.511 -24.658,-2.55 J1.1@-24.7,-2.55 ; J1.93@-24.7,-20.95 -24.421,-20.95 -24.389,-20.982 -24.363,-20.956 -24.333,-20.986 v1(-24.137,-20.986) ; J1.71@-24.7,-16.55 -24.44,-16.55 -24.178,-16.812 v1(-23.619,-16.812) ; J1.57@-24.7,-13.75 -24.204,-13.75 -24.089,-13.635 -24.089,-13.553 v1(-24.031,-13.494) ; J1.43@-24.7,-10.95 -24.235,-10.95 -23.935,-11.25 v1(-23.935,-11.29) ; J1.31@-24.7,-8.55 -24.44,-8.55 -24.167,-8.823 -24.067,-8.823 v1(-24.008,-8.881) ; J1.25@-24.7,-7.35 -24.44,-7.35 -24.401,-7.311 -24.401,-7.306 -24.341,-7.246 v1(-23.791,-7.246) ; J1.19@-24.7,-6.15 -24.695,-6.145 -24.008,-6.145 v1(-24.003,-6.141) ; J1.7@-24.7,-3.75 -24.223,-3.75 -24.12,-3.647 v1(-24.037,-3.647) ; v1@-23.591,-4.761 v1(-23.509,-4.761) ; v1(-22.874,-6.085) -22.791,-6.085 -22.663,-5.957 -22.067,-5.957 -21.919,-6.104 -21.919,-6.111 -21.88,-6.15 J1.20@-21.62,-6.15 ; v1(-22.612,-3.561) -22.3,-3.561 -22.111,-3.75 J1.8@-21.62,-3.75 ; v1(-22.594,-13.431) -22.5,-13.336 -21.634,-13.336 J1.56@-21.62,-13.35 ; v1(-22.4,-21.1) -22.318,-21.1 -22.168,-20.95 J1.94@-21.62,-20.95 ; v1(-22.32,-4.942) -22.316,-4.946 -21.624,-4.946 J1.14@-21.62,-4.95 ; v1(-22.266,-13.801) -21.953,-13.801 J1.58@-21.902,-13.75 ; v1(-22.255,-18.58) -22.24,-18.565 -21.635,-18.565 J1.82@-21.62,-18.55 J1.82@-21.36,-18.55 ; J1.100@-21.62,-22.15 -21.62,-22.498 -21.473,-22.644 v1(-21.444,-22.644) ; J1.88@-21.62,-19.75 -21.618,-19.748 -21.149,-19.748 v1(-20.944,-19.952) -19.631,-19.952 v1@-19.583,-20 ; J1.76@-21.62,-17.35 -21.588,-17.382 -21.104,-17.382 v1(-21.031,-17.31) ; J1.72@-21.62,-16.55 -21.605,-16.535 -21.033,-16.535 v1(-21.018,-16.519) ; J1.44@-21.62,-10.95 J1.46@-21.62,-11.35 -21.581,-11.389 -21.161,-11.389 -21.03,-11.52 v1(-21.001,-11.52) ; J1.30@-21.62,-8.15 -21.36,-8.15 -20.914,-8.596 v1(-20.912,-8.596) ; J1.26@-21.62,-7.35 -21.61,-7.34 -20.976,-7.34 v1(-20.965,-7.329) ; J1.2@-21.62,-2.55 -21.608,-2.538 -21.047,-2.538 v1(-21.034,-2.526) ; v1@-20.398,-12.2 -20.398,-11.34 -20.31,-11.251 -20.31,-11.11 -20.3,-11.1 ; v1(-3.232,-9.78) -3.174,-9.722 -3.057,-9.722 -2.972,-9.637 -2.491,-9.637 -2.431,-9.697 -2.431,-10.007 J2.17@-2.404,-10.034 ; v1(-2.759,-13.019) -2.701,-12.961 -2.546,-12.961 -2.396,-12.81 J2.14@-2.396,-12.442 ; v1(-1.63,-12.9) -1.63,-12.889 -1.596,-12.854 J2.12@-1.596,-12.442 ; J2.10@-0.796,-12.442 -0.796,-12.904 v1(-0.7,-13) ; J2.7@0.396,-12.434 0.396,-12.054 0.583,-11.868 v1(0.821,-11.868) ; J2.24@0.396,-10.034 0.459,-9.97 0.459,-9.646 0.52,-9.586 v1(0.52,-9.503) ; v1(1.583,-11.828) 1.591,-11.836 1.591,-12.429 J2.4@1.6,-12.438 ; J2.29@2.404,-10.042 2.404,-10.636 v1(2.413,-10.644) ; J2.1@2.8,-12.438 2.831,-12.469 v1(3.27,-12.469) ; B1.1@17.551,-2.794 17.581,-2.764 v1(17.581,-1.427) ; v1(23.9,-9.6) 23.9,-10.252 C51.1@23.994,-10.158 ; 37.2,-20 37.181,-20.019 37.181,-20.352 37.412,-20.583 v1(37.414,-20.583) 37.467,-20.53 37.77,-20.53 37.9,-20.4 38.213,-20.4 v1(38.486,-20.673) 38.486,-20.711 38.675,-20.9 39.2,-20.9 ; J1.58@-21.902,-13.75 cw(c-21.761,-13.891) J1.58@-21.62,-13.75 J1.58@-21.902,-13.75
  Bottom Copper w0.104: J1.75@-24.7,-17.35 -24.693,-17.357 -24.182,-17.357 v1(-24.175,-17.364)
  Bottom Copper w0.25: J10.SH1@-44.378,-7.265 -44.548,-7.265 -45.043,-6.77 -45.043,-6.567 -45.043,-6.27 J10.B12@-45.268,-6.045 -45.268,-5.953 -45.043,-5.728 -44.658,-5.728 -44.465,-5.92 -43.993,-5.92 J10.A1@-43.968,-5.945 ; J10.SH4@-44.378,1.375 -44.548,1.375 -45.043,0.88 -45.043,0.38 J10.B1@-45.268,0.155 -44.948,-0.166 v1(-44.69,-0.166) -44.509,-0.166 -44.288,0.055 J10.A12@-43.968,0.055
  Bottom Copper w0.254: v1(-41.74,-1.979) -39.334,-1.979 -39.265,-1.909 v1(-39.224,-1.909) ; v1(-41.665,-6.189) -41.637,-6.162 -39.843,-6.162 v1@-39.813,-6.132 ; v1(-38.154,0.154) -36.869,-1.131 -36.773,-1.131 v1(-36.744,-1.161) ; v1(-36.084,-14.657) -36.079,-14.652 -35.528,-14.652 C40.1@-35.523,-14.647 ; v1(-8.276,-12.626) -8.268,-12.633 C2.1@-7.753,-12.633 ; C1.1@-5.1,-13.4 -4.967,-13.267 -4.538,-13.267 -4.397,-13.126 v1(-4.356,-13.126) ; v1(11.778,-1.708) 12.51,-1.708 C56.1@12.571,-1.647 ; v1(16.5,-10.2) 16.514,-10.186 17.472,-10.186 C54.1@17.486,-10.172 ; v1(33.866,-19.191) 33.871,-19.196 34.536,-19.196 C9.1@34.541,-19.201 ; C7.1@37.508,-19.23 38.326,-19.23 38.462,-19.093 v1(38.504,-19.093) ; C11.1@39.944,-24.399 C11.1@39.944,-24.399 40.573,-24.4 v1(40.575,-24.402) ; C12.1@41.045,-23.358 41.178,-23.225 v1(41.712,-23.225)
  Bottom Copper w0.5: C38.1@-11.119,-0.578 C38.1@-11.118,-0.577 v2(-11.118,0.16) ; U8.2@-9.215,-2.385 -9.214,-2.384 v2(-9.214,-1.647) ; v2(-7.267,-2.713) C39.1@-7.267,-1.977 C39.1@-7.267,-1.977 ; C17.1@-5.621,-0.578 C17.1@-5.619,-0.577 v2(-5.619,0.16) ; U2.2@-3.677,-2.385 U2.2@-3.677,-2.385 v2(-3.677,-1.648) ; v2(-1.772,-2.713) C18.1@-1.772,-1.977 C18.1@-1.772,-1.977 ; C19.1@0.383,-0.578 C19.1@0.384,-0.577 v2(0.384,0.16) ; v2(0.663,1.2) C20.1@1.4,1.2 C20.1@1.401,1.199 ; U3.2@2.317,-2.386 U3.2@2.318,-2.385 v2(2.318,-1.648) ; v2(12.033,-0.677) 12.033,-0.679 12.321,-0.968 12.321,-1.447 12.521,-1.647 C56.1@12.571,-1.647 12.751,-1.467 12.751,-0.649 v2(13.5,0.1) ; C55.1@13.998,-2.075 13.998,-1.086 14.392,-0.692 14.758,-0.692 v2(14.759,-0.691) ; v2(33.341,-18.172) 34.082,-18.172 C10.1@34.1,-18.155 ; C8.1@38.103,-18.161 38.141,-18.199 v2(38.788,-18.199)
  other v1: -27.072,-25.807 1.612,-24.029 -4.673,-23.892 15.499,-23.125 -33.477,-22.947 21.169,-22.052 11.715,-21.948 -49.438,-21.853 1.2,-21.644 -20.444,-21.6 37,-21.546 -33.093,-21.231 -50.224,-21.039 -19.666,-20.053 -50.234,-19.884 -3.707,-19.774 -2.67,-19.774 -1.045,-19.774 -49.439,-19.001 -19.815,-18.442 19.343,-16.895 25.2,-16.9 -16.7,-16.654 -22.369,-15.354 -46.137,-14.036 -30.995,-13.469 -48.33,-13.18 -27.7,-12.9 -20.439,-12.02 -18.894,-10.955 -17.3,-9.4 -30.853,-9.106 -29.728,-9.106 -19.117,-9.003 -22.589,-8.953 -30.291,-8.571 -33.108,-8.04 -29.728,-7.981 -42.84,-7.62 -33.718,-7.51 -19.841,-7.332 -28.54,-7.235 -16.075,-6.901 -30.853,-6.856 -30.291,-6.856 -19.053,-6.266 -20.789,-6.136 -42.044,-5.83 -44.639,-5.804 -35.567,-5.507 -15.188,-5.197 -30.848,-4.915 -30.285,-4.915 -30.848,-4.352 -30.285,-4.352 -36.243,-4.318 -48.523,-4.153 -42.158,-3.977 -39.418,-3.787 -38.572,-3.703 -37.523,-3.639 -34.8,-3.4 -27.274,-3.024 -47.987,-2.92 -35.9,-2.8 -43.314,-2.359 -48.466,-1.787 -43.3,-1.554 -22.9,-1.2 -25.839,-0.781 -38.272,2.095 -41.983,2.912
  other v2: -10.9,-27.5 -6.4,-27.5 -47.518,-27.416 43.234,-27.408 -10.875,-26.5 -6.375,-26.5 -46.935,-26.408 42.652,-26.399 -10.574,-25.375 -6.676,-25.375 -46.935,-25.243 42.652,-25.234 -9.75,-24.551 -7.5,-24.551 -8.625,-24.25 -50.7,-24.234 -47.518,-24.234 43.234,-24.226 46.416,-24.226 -49.691,-23.652 -48.526,-23.652 44.243,-23.643 45.408,-23.643 5.182,-12.966 5.912,-12.405 5.943,-11.748 7.001,-11.349 8.309,-10.725 -49.691,2.652 -48.526,2.652 44.234,2.652 45.399,2.652 -50.7,3.234 -47.518,3.234 43.226,3.234 46.408,3.234 -8.634,3.241 -9.759,3.543 -7.509,3.543 -46.935,4.243 42.643,4.243 -10.582,4.366 -6.685,4.366 -46.935,5.408 42.643,5.408 -10.884,5.491 -6.384,5.491 -47.518,6.416 43.226,6.416 -10.859,6.491 -6.359,6.491
  other v3: -16.727,-25.917 -13.793,-25.917 7.473,-25.917 10.407,-25.917 -16.727,-22.983 -13.793,-22.983 7.473,-22.983 10.407,-22.983 -16.727,-1.717 -13.793,-1.717 7.473,-1.717 10.407,-1.717 -16.727,1.217 -13.793,1.217
  other v4: -8.209,-5.532 -7.209,-5.532
GPIO8/SPI0_CS_1: J1.60 U12.18 U13.8 | length 53.2
  Top Copper w0.102: U12.18@-3.101,-22.487 -3.101,-22.324 -2.878,-22.101 -2.841,-22.101 -2.573,-21.833 -2.573,-21.808 -2.477,-21.712 v1(-2.477,-21.633)
  Signal Layer 2 w0.102: v1(-20.905,-14.199) -20.862,-14.155 -20.013,-14.155 -16.239,-17.929 -8.271,-17.929 -6.269,-19.931 -5.648,-19.931 -4.4,-19.931 -4.177,-19.931 -2.91,-21.197 v1@-2.477,-21.63 ; v1(-2.477,-21.633) v1@-2.477,-21.63 ; v1(22.852,-12.52) 22.392,-12.98 15.943,-12.98 10.982,-17.941 5.508,-17.941 2.203,-21.246 -2.091,-21.246 -2.474,-21.63 v1@-2.477,-21.63
  Bottom Copper w0.102: J1.60@-21.62,-14.15 -21.617,-14.153 -20.952,-14.153 v1(-20.905,-14.199) ; v1(22.852,-12.52) 22.887,-12.485 23.509,-12.485 U13.8@23.543,-12.451
I2C1_SCL: J1.35 J2.20 | length 25.8
  Signal Layer 2 w0.102: v1(-23.464,-10.553) -23.453,-10.553 -22.898,-9.998 -13.355,-9.998 -12.905,-10.448 -1.948,-10.448 -1.037,-9.537 v1(-1.037,-9.486)
  Bottom Copper w0.102: J1.35@-24.7,-9.35 -24.44,-9.35 -24.066,-9.724 -24.066,-9.985 -23.498,-10.553 v1(-23.464,-10.553) ; J2.20@-1.2,-10.038 -1.196,-10.034 -1.196,-9.696 -1.037,-9.537 v1(-1.037,-9.486)
I2C1_SDA: J1.33 J2.19 | length 25
  Signal Layer 2 w0.102: v1(-23.5,-10.048) -23.498,-10.048 -23.246,-9.796 -13.217,-9.796 -12.767,-10.246 -2.037,-10.246 -1.588,-9.798 -1.588,-9.588 v1(-1.544,-9.543)
  Bottom Copper w0.102: J1.33@-24.7,-8.95 -24.44,-8.95 -23.615,-9.775 -23.615,-9.805 -23.5,-9.92 v1(-23.5,-10.048) ; J2.19@-1.6,-10.038 -1.642,-9.996 -1.642,-9.642 v1(-1.544,-9.543)
I2C2_SCL: J1.77 J3.21 J9.21 | length 91.9
  Top Copper w0.102: J9.21@-38.5,-23.14 -38.5,-23.895 v1(-38.454,-23.941) ; v1(34.273,-22.124) 34.611,-21.786 35.812,-21.786 36.5,-22.474 J3.21@36.5,-23.14
  Signal Layer 2 w0.102: v1(-38.454,-23.941) -38.454,-24.497 -38.265,-24.686 -34.301,-24.686 -27.383,-17.768 -25.434,-17.768 -23.783,-19.419 -23.783,-22.587 -22.669,-23.7 -21.174,-23.7 -19.425,-23.7 -18.013,-22.289 -16.675,-20.951 -13.307,-20.951 -11.442,-22.816 -7.376,-22.816 -5.085,-25.108 3.03,-25.108 7.236,-20.902 9.759,-20.902 11.29,-20.901 14.093,-23.705 32.692,-23.705 v1(34.273,-22.124)
  Bottom Copper w0.102: v1(-25.454,-17.768) -25.436,-17.75 J1.77@-24.7,-17.75
I2C2_SDA: J1.79 J3.20 J9.20 | length 92.3
  Top Copper w0.102: J9.20@-38.1,-23.14 -38.085,-23.155 -38.085,-24.316 v1(-38.069,-24.332) ; v1(33.65,-22.15) 33.726,-22.15 34.292,-21.585 35.991,-21.585 36.9,-22.493 J3.20@36.9,-23.14
  Signal Layer 2 w0.102: v1(-38.069,-24.332) -34.232,-24.332 -27.201,-17.301 -25.801,-17.301 v1(-25.8,-17.3) -25.421,-17.3 -23.581,-19.14 -23.581,-22.503 -22.586,-23.499 -19.508,-23.499 -16.759,-20.75 -13.223,-20.75 -11.399,-22.574 -7.334,-22.574 -5.008,-24.9 2.953,-24.9 7.153,-20.7 11.373,-20.7 13.355,-22.682 33.118,-22.682 v1(33.65,-22.15)
  Bottom Copper w0.102: v1(-25.8,-17.3) -25.808,-17.308 -25.808,-17.915 -25.601,-18.122 -24.728,-18.122 J1.79@-24.7,-18.15
I2C3_SCL_1V8: J1.78 U14.7 | length 56.8
  Signal Layer 2 w0.102: v1(-23.071,-16.732) -23.071,-16.764 -21.857,-17.978 -21.857,-21.406 -20.952,-22.311 -19.294,-22.311 -17.118,-20.135 -13.453,-20.135 -11.278,-22.31 -7.127,-22.31 -4.797,-24.64 2.393,-24.64 6.535,-20.498 12.034,-20.498 v1(16.37,-16.162)
  Bottom Copper w0.102: v1(-23.071,-16.732) -22.696,-16.357 -22.369,-16.357 -22.201,-16.525 -22.201,-17.429 -21.88,-17.75 J1.78@-21.62,-17.75 ; v1(16.37,-16.162) 16.37,-16.092 16.586,-15.876 16.586,-13.586 17.206,-12.966 U14.7@17.663,-12.966
I2C3_SCL_3V3: J11.1 TP43.1 U11.10 U14.14 | length 36.6
  Top Copper w0.102: U11.10@13.4,-12.13 13.443,-12.087 19.166,-12.087 21.981,-12.087 v1(22.339,-12.445) ; v1(40.506,-9.806) 40.931,-9.381 TP43.1@43.35,-9.381
  Bottom Copper w0.102: U14.14@20.963,-12.966 20.966,-12.969 21.815,-12.969 v1(22.339,-12.445) 22.367,-12.416 22.367,-10.403 24.147,-8.623 39.323,-8.623 v1(40.506,-9.806) 41.869,-9.806 J11.1@41.913,-9.85
I2C3_SDA_1V8: J1.80 U14.8 | length 55.8
  Signal Layer 2 w0.102: v1(-22.564,-16.732) -21.655,-17.641 -21.655,-21.323 -20.869,-22.109 -19.405,-22.109 -17.229,-19.934 -13.369,-19.934 -11.195,-22.109 -7.005,-22.109 -4.721,-24.393 2.355,-24.393 6.594,-20.153 11.768,-20.153 v1(15.759,-16.162)
  Bottom Copper w0.102: v1(-22.564,-16.732) -22.564,-17.772 -22.187,-18.15 J1.80@-21.62,-18.15 ; v1(15.759,-16.162) 16.385,-15.537 16.385,-13.288 17.206,-12.466 U14.8@17.663,-12.466
I2C3_SDA_3V3: J11.2 TP46.1 U11.11 U14.13 | length 37.3
  Top Copper w0.102: U11.11@13.4,-13.4 13.512,-13.288 14.493,-13.288 14.953,-12.829 21.186,-12.829 21.531,-12.484 v1(21.578,-12.484) ; v1(43.22,-10.612) 43.278,-10.671 43.278,-11.356 TP46.1@43.35,-11.428
  Bottom Copper w0.102: U14.13@20.963,-12.466 21.549,-12.466 22.166,-11.849 22.166,-10.304 24.049,-8.422 42.068,-8.422 43.375,-9.728 43.375,-10.457 v1(43.22,-10.612) 43.064,-10.768 41.995,-10.768 J11.2@41.913,-10.85 ; v1@21.554,-12.46 v1(21.578,-12.484)
MIPI_RX2_C_N: J1.95 J3.11 | length 74.4
  Top Copper w0.102: v1(-25.437,-21.297) -25.504,-21.297 -25.649,-21.442 -26.049,-21.442 -26.356,-21.749 -26.356,-22.63 -25.997,-22.989 -23.135,-22.989 -20.966,-20.82 -20.599,-20.82 -20.454,-20.966 v1(-20.387,-20.966) ; J3.11@39.3,-19.86 39.3,-20.205 39.208,-20.297 39.208,-20.656 39.208,-21.455 39.353,-21.6 v1(39.353,-21.667)
  Bottom Copper w0.102: v1@-25.437,-21.303 v1(-25.437,-21.297) -25.371,-21.297 -25.225,-21.442 -25.052,-21.442 -24.96,-21.35 J1.95@-24.7,-21.35 ; v1(-20.387,-20.966) -20.32,-20.966 -20.175,-20.82 -19.341,-20.82 -19.123,-20.602 11.753,-20.602 15.324,-24.173 37.147,-24.173 39.208,-22.112 39.208,-21.879 39.353,-21.734 v1(39.353,-21.667)
MIPI_RX2_C_P: J1.97 J3.10 | length 74.5
  Top Copper w0.102: v1(-25.437,-21.803) -25.504,-21.803 -25.649,-21.658 -25.96,-21.658 -26.14,-21.839 -26.14,-22.54 -25.907,-22.773 -23.224,-22.773 -21.056,-20.604 -20.599,-20.604 -20.454,-20.459 v1(-20.387,-20.459) ; v1(38.847,-21.667) 38.847,-21.6 38.992,-21.455 38.992,-20.745 38.992,-20.297 38.9,-20.205 J3.10@38.9,-19.86
  Bottom Copper w0.102: v1@-25.437,-21.658 v1(-25.437,-21.803) -25.371,-21.803 -25.225,-21.658 -25.052,-21.658 -24.96,-21.75 J1.97@-24.7,-21.75 ; v1(-20.387,-20.459) -20.32,-20.459 -20.175,-20.604 -19.431,-20.604 -19.212,-20.386 11.843,-20.386 15.414,-23.957 35.1,-23.957 35.151,-23.957 ccw(c35.151,-23.754) 35.354,-23.754 35.354,-23.72 cw(c35.556,-23.72) 35.556,-23.517 cw(c35.556,-23.72) 35.759,-23.72 35.759,-23.754 ccw(c35.962,-23.754) 35.962,-23.957 ccw(c35.962,-23.754) 36.165,-23.754 36.165,-23.72 cw(c36.368,-23.72) 36.368,-23.517 cw(c36.368,-23.72) 36.57,-23.72 36.57,-23.754 ccw(c36.773,-23.754) 36.773,-23.957 37.057,-23.957 37.4,-23.615 38.992,-22.023 38.992,-21.879 38.847,-21.734 v1(38.847,-21.667)
MIPI_RX2_D0_N: J1.89 J3.8 | length 74.6
  Top Copper w0.102: v1(-25.741,-19.537) -25.659,-19.537 -25.514,-19.391 -20.337,-19.391 -20.192,-19.537 v1(-20.125,-19.537) ; J3.8@38.1,-19.86 38.1,-20.205 38.008,-20.297 38.008,-20.472 38.008,-20.985 ; v1(38.153,-21.201) v1@38.153,-21.134 ; 38.008,-20.985 38.008,-20.989 v1@38.153,-21.134 ; 38.008,-20.985 38.153,-21.13 v1@38.153,-21.134
  Bottom Copper w0.102: v1(-25.741,-19.537) -25.808,-19.537 -25.953,-19.391 -26.299,-19.391 -26.454,-19.546 -26.454,-19.972 -26.195,-20.231 -25.213,-20.231 -25.202,-20.242 -25.052,-20.242 -24.96,-20.15 J1.89@-24.7,-20.15 ; v1(-20.125,-19.537) -20.058,-19.537 -19.888,-19.367 -19.739,-19.367 -19.489,-19.116 12.391,-19.116 16.243,-22.968 21.6,-22.968 21.759,-22.968 ccw(c21.759,-22.499) 22.227,-22.499 22.227,-22.38 cw(c22.48,-22.38) 22.48,-22.128 cw(c22.48,-22.38) 22.733,-22.38 22.733,-22.949 ccw(c23.202,-22.949) 23.202,-23.417 ccw(c23.202,-22.949) 23.67,-22.949 23.67,-22.499 cw(c23.923,-22.499) 23.923,-22.246 cw(c23.923,-22.499) 24.176,-22.499 ccw(c24.645,-22.499) 24.645,-22.968 25.241,-22.968 36.661,-22.968 36.878,-22.751 cw(c36.968,-22.841) 37.059,-22.751 37.069,-22.761 ccw(c37.159,-22.671) 37.249,-22.58 37.239,-22.57 cw(c37.33,-22.48) 37.239,-22.39 37.514,-22.114 38.008,-21.621 38.008,-21.413 38.153,-21.268 v1(38.153,-21.201)
MIPI_RX2_D0_P: J1.91 J3.7 | length 74.5
  Top Copper w0.102: v1(-25.741,-19.03) -25.659,-19.03 -25.514,-19.175 -20.337,-19.175 -20.192,-19.03 v1(-20.125,-19.03) ; J3.7@37.7,-19.86 37.7,-20.205 37.792,-20.297 37.792,-20.562 37.792,-20.989 37.647,-21.134 v1(37.647,-21.201) v1@37.792,-21.201
  Bottom Copper w0.102: v1(-25.741,-19.03) -25.808,-19.03 -25.953,-19.175 -26.388,-19.175 -26.67,-19.457 -26.67,-20.062 -26.285,-20.447 -25.302,-20.447 -25.292,-20.458 -25.052,-20.458 -24.96,-20.55 J1.91@-24.7,-20.55 ; v1(-20.125,-19.03) -20.043,-19.03 -19.922,-19.151 -19.829,-19.151 -19.578,-18.9 12.48,-18.9 16.332,-22.752 21.6,-22.752 21.759,-22.752 ccw(c21.759,-22.499) 22.012,-22.499 22.012,-22.38 cw(c22.48,-22.38) 22.48,-21.912 cw(c22.48,-22.38) 22.949,-22.38 22.949,-22.949 ccw(c23.202,-22.949) 23.202,-23.201 ccw(c23.202,-22.949) 23.455,-22.949 23.455,-22.499 cw(c23.923,-22.499) 23.923,-22.03 cw(c23.923,-22.499) 24.392,-22.499 ccw(c24.645,-22.499) 24.645,-22.752 25.241,-22.752 36.572,-22.752 37.792,-21.531 37.792,-21.413 37.647,-21.268 v1(37.647,-21.201)
MIPI_RX2_D1_N: J1.83 J3.5 | length 74.4
  Top Copper w0.102: v1(-23.604,-17.569) -23.604,-17.635 -23.459,-17.78 -23.459,-18.014 -23.247,-18.226 -22.402,-18.226 -22.108,-18.226 -20.94,-18.226 -20.795,-18.372 v1(-20.728,-18.372) ; J3.5@36.9,-19.86 36.9,-20.205 36.808,-20.297 36.808,-20.69 36.953,-20.835 v1(36.953,-20.902)
  Bottom Copper w0.102: J1.83@-24.7,-18.95 -24.44,-18.95 -24.348,-19.042 -24.09,-19.042 -23.459,-18.412 -23.459,-17.78 -23.604,-17.635 v1(-23.604,-17.569) ; v1(-20.728,-18.372) -20.661,-18.372 -20.497,-18.207 -20.344,-18.207 -19.739,-17.601 12.848,-17.601 16.531,-21.284 24.9,-21.284 25.059,-21.284 ccw(c25.059,-20.816) 25.527,-20.816 25.527,-20.697 cw(c25.78,-20.697) 25.78,-20.444 cw(c25.78,-20.697) 26.033,-20.697 26.033,-21.44 ccw(c26.502,-21.44) 26.502,-21.908 ccw(c26.502,-21.44) 26.97,-21.44 26.97,-20.697 cw(c27.223,-20.697) 27.223,-20.444 cw(c27.223,-20.697) 27.476,-20.697 27.476,-21.44 ccw(c27.945,-21.44) 27.945,-21.908 ccw(c27.945,-21.44) 28.413,-21.44 28.413,-20.697 cw(c28.666,-20.697) 28.666,-20.444 cw(c28.666,-20.697) 28.919,-20.697 28.919,-21.432 ccw(c29.388,-21.432) 29.388,-21.901 ccw(c29.388,-21.432) 29.856,-21.432 29.856,-20.816 cw(c30.109,-20.816) 30.109,-20.563 cw(c30.109,-20.816) 30.362,-20.816 ccw(c30.831,-20.816) 30.831,-21.284 32.5,-21.284 36.571,-21.284 v1(36.953,-20.902)
MIPI_RX2_D1_P: J1.85 J3.4 | length 74.7
  Top Copper w0.102: v1(-23.098,-17.569) -23.098,-17.635 -23.243,-17.78 -23.243,-17.924 -23.157,-18.01 -22.491,-18.01 ; -22.491,-18.01 -22.019,-18.01 ; -22.018,-18.01 -20.941,-18.01 -20.796,-17.865 v1(-20.73,-17.865) ; v1(36.447,-20.902) 36.447,-20.835 36.592,-20.69 36.592,-20.297 36.5,-20.205 J3.4@36.5,-19.86 J3.4@36.5,-19.515
  Bottom Copper w0.102: J1.85@-24.7,-19.35 -24.44,-19.35 -24.348,-19.258 -24,-19.258 -23.243,-18.501 -23.243,-17.78 -23.098,-17.635 v1(-23.098,-17.569) ; v1(-20.73,-17.865) -20.647,-17.865 -20.521,-17.991 -20.433,-17.991 -19.828,-17.386 12.937,-17.386 16.62,-21.068 24.9,-21.068 25.059,-21.068 ccw(c25.059,-20.816) 25.312,-20.816 25.312,-20.697 cw(c25.78,-20.697) 25.78,-20.228 cw(c25.78,-20.697) 26.249,-20.697 26.249,-21.44 ccw(c26.502,-21.44) 26.502,-21.693 ccw(c26.502,-21.44) 26.755,-21.44 26.755,-20.697 cw(c27.223,-20.697) 27.223,-20.228 cw(c27.223,-20.697) 27.692,-20.697 27.692,-21.44 ccw(c27.945,-21.44) 27.945,-21.693 ccw(c27.945,-21.44) 28.198,-21.44 28.198,-20.697 cw(c28.666,-20.697) 28.666,-20.228 cw(c28.666,-20.697) 29.135,-20.697 29.135,-21.432 ccw(c29.388,-21.432) 29.388,-21.685 ccw(c29.388,-21.432) 29.641,-21.432 29.641,-20.816 cw(c30.109,-20.816) 30.109,-20.347 cw(c30.109,-20.816) 30.578,-20.816 ccw(c30.831,-20.816) 30.831,-21.068 32.5,-21.068 34.052,-21.068 34.103,-21.068 ccw(c34.103,-20.946) 34.225,-20.946 34.225,-20.771 cw(c34.348,-20.771) 34.348,-20.649 34.409,-20.649 cw(c34.409,-20.771) 34.531,-20.771 34.531,-20.946 ccw(c34.653,-20.946) 34.653,-21.068 34.9,-21.068 36.235,-21.068 36.401,-20.902 v1(36.447,-20.902)